# Altium PCB OBC Development Board.PcbDoc (part 3 of 3)
Units mil, origin at the board's own origin, x right, y up, seen from the top; angles counter-clockwise.
Board outline 3775.59 x 3550.2 mil, 6 copper layers (L1 Top Layer, L2 GND, L3 Signal, L4 Signal, L5 GND, L6 Bottom Layer), stack 61.638 mil thick; 225 components, 188 nets, 885 pads, 667 vias.
Unrouted connection lines stored in the file: 1.
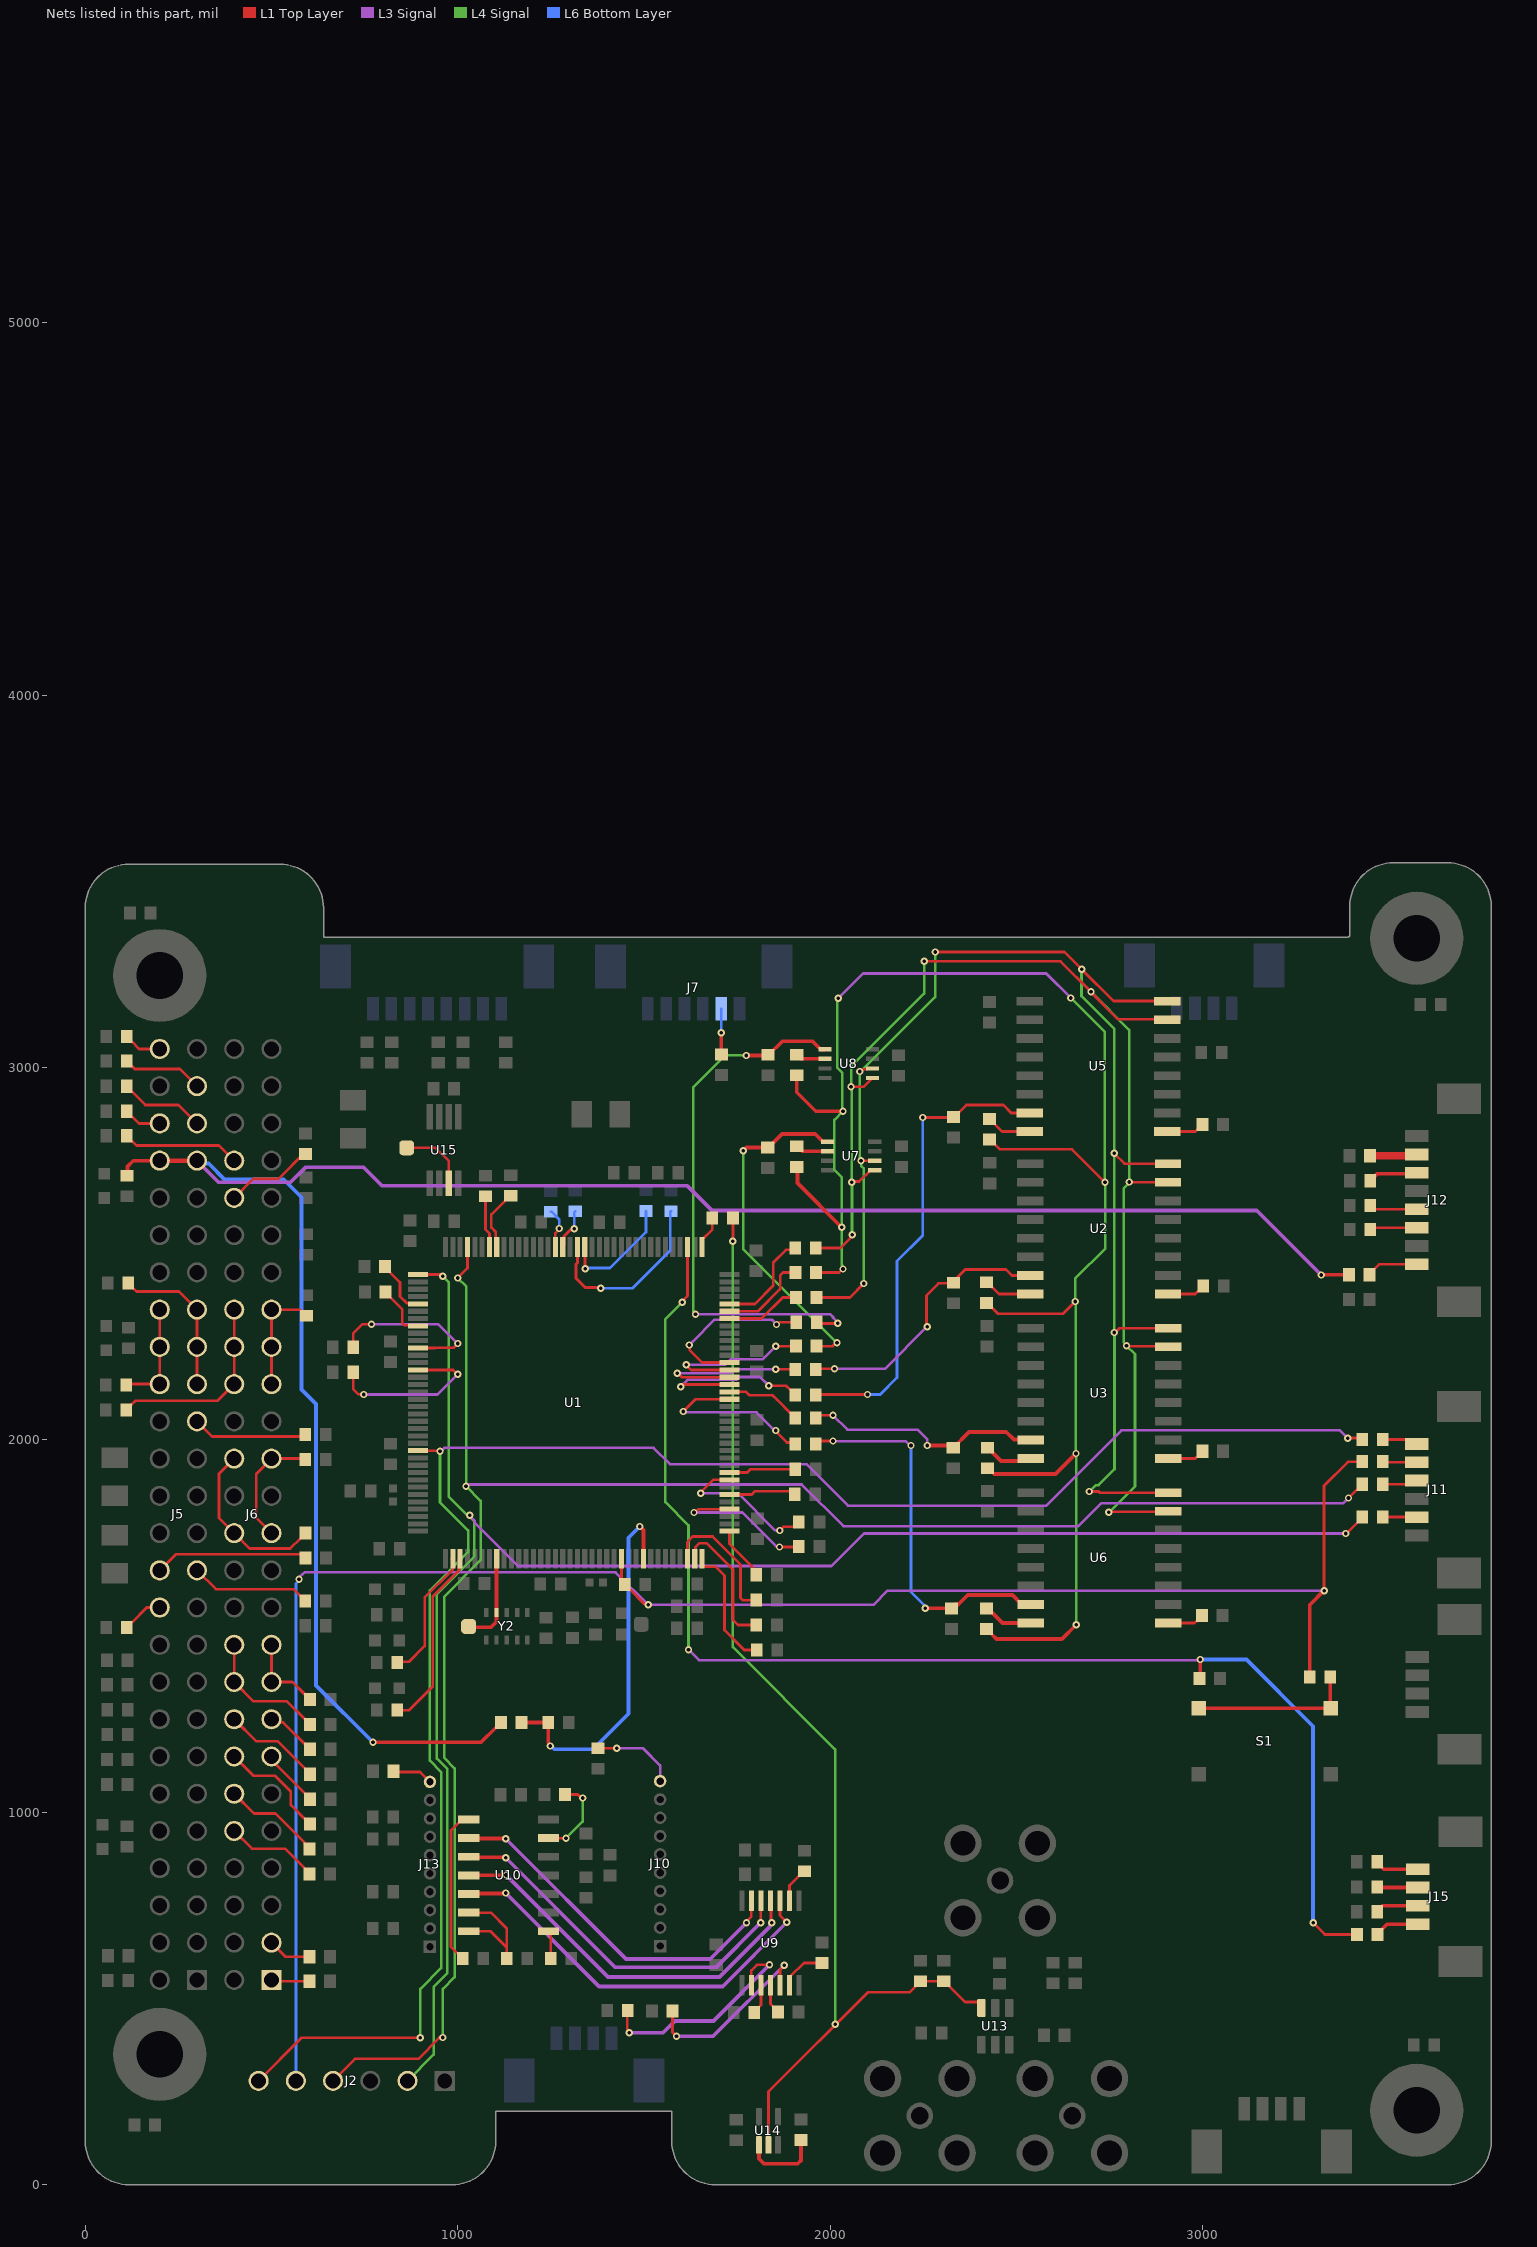
[diagram p7: the nets of this part, all layers, seen from the top]

## Via types
v1: diameter 19.68, hole 9.84, L1 Top Layer to L6 Bottom Layer, tented both sides, 666 vias
v2: diameter 26, hole 15, L1 Top Layer to L6 Bottom Layer, tented both sides, 1 vias

## Nets (pads, with @x,y where several pads share a name; then routed paths per layer and width w, separated by ;. In a path a pad name is that pad's centre, name@x,y a point inside that pad or via, vN(x,y) a via of type N, cw(c..) or ccw(c..) an arc to the next point about the centre after c; other vN are vias at no path point) (continued)
NetJ5_22: J5.22 R111.1 | length 112.3
  L1 Top Layer w7.33: R111.1@111.22,1496.06 111.22,1498.03 123.3,1510.11 125.27,1510.11 165.16,1550 J5.22@200,1550
NetJ5_23: J5.23 R106.2 | length 325.7
  L1 Top Layer w7.33: J5.23@300,1650 350.59,1599.41 559.06,1599.41 576.5,1581.97 578.47,1581.97 590.55,1569.88 R106.2@590.55,1567.91
NetJ5_24: J5.24 R108.1 | length 413.4
  L1 Top Layer w7.33: J5.24@200,1650 242.91,1692.91 581.69,1692.91 R108.1@591.54,1683.07
NetJ5_31: J5.31 R139.2 | length 309.6
  L1 Top Layer w7.33: J5.31@300,2050 340.63,2009.37 585.15,2009.37 R139.2@590.55,2014.76
NetJ5_33: J5.33 J5.35 J5.37 R102.2 | length 415.5
  L1 Top Layer w7.33: R102.2@115.16,2421.26 115.16,2419.29 127.24,2407.21 129.21,2407.21 137.8,2398.62 251.38,2398.62 J5.37@300,2350 J5.35@300,2250 J5.33@300,2150
NetJ5_34: J5.34 J5.36 J5.38 R103.1 | length 290.7
  L1 Top Layer w7.33: R103.1@110.24,2147.64 112.6,2150 J5.34@200,2150 J5.36@200,2250 J5.38@200,2350
NetJ5_47: J5.47 R96.2 | length 231.3
  L1 Top Layer w7.33: R96.2@111.22,2949.8 111.22,2947.83 123.3,2935.75 125.27,2935.75 161.42,2899.61 250.39,2899.61 J5.47@300,2850
NetJ5_48: J5.48 R97.1 | length 103.5
  L1 Top Layer w7.33: R97.1@111.22,2882.87 111.22,2880.91 123.3,2868.82 125.27,2868.82 144.09,2850 J5.48@200,2850
NetJ5_49: J5.49 R95.2 | length 218
  L1 Top Layer w7.33: R95.2@111.22,3017.72 111.22,3015.75 123.3,3003.66 125.27,3003.66 132.87,2996.06 253.94,2996.06 J5.49@300,2950
NetJ5_52: J5.52 R94.1 | length 103.6
  L1 Top Layer w7.33: R94.1@111.22,3083.66 111.22,3081.69 123.3,3069.61 125.27,3069.61 144.68,3050.2 J5.52@199.8,3050.2
NetJ6_1: J6.1 R140.2 | length 103.9
  L1 Top Layer w7.33: J6.1@500,550 503.74,546.26 R140.2@602.36,546.26
NetJ6_3: J6.3 R141.2 | length 118
  L1 Top Layer w7.33: J6.3@500,650 537.8,612.2 R141.2@602.36,612.2
NetJ6_10: J6.10 R127.1 | length 251.3
  L1 Top Layer w7.33: J6.10@400,950 447.44,902.56 536.42,902.56 602.36,836.61 R127.1@602.36,834.65
NetJ6_12: J6.12 R125.1 | length 265.9
  L1 Top Layer w7.33: J6.12@400,1050 452.95,997.05 510.42,997.05 590.28,917.19 590.28,913.66 R125.1@602.36,901.57
NetJ6_13: J6.13 R123.2 | length 157.4
  L1 Top Layer w7.33: J6.13@500,1150 500,1140.75 603.35,1037.4 R123.2@603.35,1035.43
NetJ6_14: J6.14 R124.1 | length 300.5
  L1 Top Layer w7.33: J6.14@400,1150 451.78,1098.22 509.25,1098.22 552.11,1055.35 552.11,1019.74 589.29,982.56 591.26,982.56 603.35,970.47 R124.1@603.35,968.5
NetJ6_15: J6.15 R119.2 | length 137.9
  L1 Top Layer w7.33: J6.15@500,1250 508.2,1241.8 530.83,1241.8 589.29,1183.34 591.26,1183.34 603.35,1171.26 R119.2@603.35,1169.29
NetJ6_16: J6.16 R120.1 | length 265.7
  L1 Top Layer w7.33: J6.16@400,1250 459.37,1190.63 517.04,1190.63 603.35,1104.33 R120.1@603.35,1102.36
NetJ6_17: J6.17 J6.19 R112.2 | length 223.9
  L1 Top Layer w7.33: J6.19@500,1450 J6.17@500,1350 556.5,1350 589.29,1317.2 591.26,1317.2 603.35,1305.12 R112.2@603.35,1303.15
NetJ6_18: J6.18 J6.20 R113.1 | length 351.6
  L1 Top Layer w7.33: J6.20@400,1450 J6.18@400,1350 451.77,1298.23 541.34,1298.23 589.29,1250.27 591.26,1250.27 603.35,1238.19 R113.1@603.35,1236.22
NetJ6_25: J6.25 J6.29 R104.2 | length 325.1
  L1 Top Layer w7.33: J6.25@500,1750 459.37,1790.63 459.37,1909.37 J6.29@500,1950 588.39,1950 R104.2@590.55,1947.83
NetJ6_26: J6.26 J6.30 R105.1 | length 460.6
  L1 Top Layer w7.33: J6.30@400,1950 359.37,1909.37 359.37,1790.63 J6.26@400,1750 441.34,1708.66 550.2,1708.66 577.48,1735.95 579.45,1735.95 591.54,1748.03 R105.1@591.54,1750
NetJ6_33: J6.33 J6.35 J6.37 R100.2 | length 301.3
  L1 Top Layer w7.33: J6.33@500,2150 J6.35@500,2250 J6.37@500,2350 576.18,2350 592.52,2333.66 R100.2@594.49,2333.66
NetJ6_34: J6.34 J6.36 J6.38 R101.1 | length 519.6
  L1 Top Layer w7.33: R101.1@110.24,2080.71 110.24,2082.68 122.32,2094.76 124.29,2094.76 134.84,2105.32 355.32,2105.32 J6.34@400,2150 J6.36@400,2250 J6.38@400,2350
NetJ6_44: J6.44 R99.1 | length 238.6
  L1 Top Layer w7.33: J6.44@400,2650 450.79,2700.79 518.7,2700.79 R99.1@587.79,2769.87 ; R99.1@590.74,2766.92 R99.1@591.54,2767.72
NetJ6_46: J6.46 R98.1 | length 317.7
  L1 Top Layer w7.33: R98.1@111.22,2816.93 111.22,2814.96 123.3,2802.88 125.27,2802.88 137.52,2790.63 359.37,2790.63 J6.46@400,2750
NetJ7_5: J7.5 R60.2 | length 122.5
  L1 Top Layer w10: v1(1707.68,3093.5) 1707.68,3036.42 R60.2@1708.66,3035.43
  L6 Bottom Layer w7.33: v1(1707.68,3093.5) J7.5@1707.68,3157.48
NetJ10_10: J10.10 R80.2 | length 227.8
  L1 Top Layer w7.33: R80.2@1376.97,1172.24 v1(1427.17,1172.24)
  L3 Signal w7.33: v1(1427.17,1172.24) 1497.05,1172.24 1543.71,1125.58 J10.10@1543.71,1083.89
NetJ11_2: J11.2 R47.2 | length 91
  L1 Top Layer w7.33: R47.2@3484.45,1793.31 3574.37,1793.31 J11.2@3575.16,1792.52
NetJ11_4: J11.4 R45.2 | length 94.7
  L1 Top Layer w7.33: R45.2@3484.45,1881.34 3565.55,1881.34 J11.4@3575.16,1890.95
NetJ11_5: J11.5 R52.2 | length 91.2
  L1 Top Layer w7.33: R52.2@3482.48,1941.34 R52.2@3483.66,1940.16 ; R52.2@3485.63,1940.16 J11.5@3575.16,1940.16
NetJ11_6: J11.6 R51.2 | length 95.7
  L1 Top Layer w7.33: R51.2@3484.45,2001.34 3547.44,2001.34 3559.41,1989.37 J11.6@3575.16,1989.37
NetJ12_1: J12.1 R53.2 | length 139
  L1 Top Layer w7.33: R53.2@3448.82,2445.87 3474.57,2471.61 J12.1@3575.16,2471.61
  L1 Top Layer w10: R53.2@3448.82,2443.9 R53.2@3448.82,2445.87
NetJ12_3: J12.3 R42.2 | length 126.5
  L1 Top Layer w7.33: R42.2@3450.79,2564.96 3455.87,2570.04 J12.3@3575.16,2570.04
NetJ12_4: J12.4 R44.2 | length 128.8
  L1 Top Layer w7.33: R44.2@3450.79,2629.92 3461.46,2619.25 J12.4@3575.16,2619.25
NetJ12_6: J12.6 R38.1 | length 133.4
  L1 Top Layer w10: R38.1@3450.79,2695.87 3470.12,2715.2 3572.68,2715.2 J12.6@3575.16,2717.68
NetJ12_7: J12.7 R41.1 | length 126.6
  L1 Top Layer w20: R41.1@3449.96,2763.39 3571.65,2763.39 J12.7@3575.16,2766.89
NetJ13_10: J13.10 R81.2 | length 109.6
  L1 Top Layer w7.33: R81.2@827.76,1110.24 829.72,1108.27 899.25,1108.27 J13.10@925.6,1081.92
NetJ15_1: J15.1 R77.2 | length 120.8
  L1 Top Layer w10: R77.2@3470.47,672.24 3470.47,674.21 3496.06,699.8 J15.1@3578.74,699.8
NetJ15_2: J15.2 R58.2 | length 116.9
  L1 Top Layer w10: R58.2@3469.49,733.27 3469.49,735.24 3483.27,749.02 J15.2@3578.74,749.02
NetJ15_3: J15.3 R59.2 | length 109.7
  L1 Top Layer w10: R59.2@3469.49,799.21 3470.47,798.23 J15.3@3578.74,798.23
NetJ15_4: J15.4 R76.2 | length 118.6
  L1 Top Layer w10: R76.2@3469.49,867.13 3469.49,865.16 3487.2,847.44 J15.4@3578.74,847.44
NetR2_2: R2.2 U1.2 | length 356.9
  L1 Top Layer w7.33: R2.2@838.1,1404.46 869.46,1404.46 911.42,1446.42 911.42,1576.45 986.07,1651.1 U1.2@986.07,1680.31
  L1 Top Layer w11.81: U1.2@986.07,1680.31 U1.2@987.06,1681.29
NetR3_1: R3.1 U1.3 | length 495.3
  L1 Top Layer w7.33: R3.1@838.1,1274.54 870.01,1274.54 933.07,1337.6 933.07,1579.72 1003.52,1650.17 1003.52,1678.07 U1.3@1006.74,1681.29
NetR9_2: R9.2 U1.68 | length 275
  L1 Top Layer w7.33: U1.68@1730.17,2365.35 1798.42,2365.35 1847.44,2414.37 1847.44,2476.38 1881.61,2510.54 1901.29,2510.54 R9.2@1906.5,2515.75
NetR10_1: R10.1 U1.37 | length 147.1
  L1 Top Layer w7.33: U1.37@1730.17,1755.11 1730.17,1720.62 1791.42,1659.37 1791.42,1648.54 R10.1@1802.17,1637.8
NetR12_2: R12.2 U1.66 | length 201.9
  L1 Top Layer w7.33: U1.66@1730.17,2325.98 1816.13,2325.98 1873.03,2382.87 R12.2@1908.46,2382.87
NetR13_2: R13.2 U3.8 | length 134.1
  L1 Top Layer w10: R13.2@2423.23,1979.33 2425.2,1979.33 2435.94,1968.58 2435.94,1966.61 2459.08,1943.48 2531.76,1943.48 U3.8@2538.54,1950.25
NetR14_2: R14.2 U2.8 | length 138
  L1 Top Layer w7.33: R14.2@2420.28,2423.23 2422.24,2423.23 2453.54,2391.93 U2.8@2545.28,2391.93
NetR15_1: R15.1 S1.1 S1.2 | length 448.5
  L1 Top Layer w10: S1.1@2990.16,1279.53 S1.2@3344.49,1279.53 3343.5,1280.51 R15.1@3343.5,1363.19 R15.1@3350.68,1356.02
NetR16_1: R16.1 U1.119 | length 460.6
  L1 Top Layer w7.33: R16.1@719.49,2249.02 719.49,2285.73 744.78,2311.02 v1(768.7,2311.02) ; U1.119@893.55,2247.24 938.48,2247.24 938.53,2247.28 988.43,2247.28 v1(1000,2258.86)
  L3 Signal w7.04: v1(768.7,2311.02) 947.83,2311.02 v1(1000,2258.86)
NetR17_1: R17.1 U1.55 | length 476.1
  L1 Top Layer w7.33: v1(1605.91,2076.38) 1638.97,2109.44 U1.55@1730.17,2109.44 ; v1(1854.33,2025.59) 1854.33,2023.09 1884.05,1993.38 1902.29,1993.38 R17.1@1906.5,1989.17
  L3 Signal w7.04: v1(1605.91,2076.38) 1608.33,2073.96 1802.54,2073.96 1850.91,2025.59 v1(1854.33,2025.59)
NetR18_2: R18.2 U1.93 | length 110.5
  L1 Top Layer w7.33: U1.93@1262.65,2517.91 1262.23,2518.32 1262.23,2555.48 1272.85,2566.1 v1(1272.85,2567.7)
  L6 Bottom Layer w7.33: R18.2@1250,2613.19 1251.97,2613.19 1272.85,2592.31 v1(1272.85,2567.7)
NetR21_2: R21.2 U1.92 | length 114.7
  L1 Top Layer w7.33: U1.92@1282.33,2517.91 1285.56,2521.13 1285.56,2547.16 1302.96,2564.57 1310.63,2564.57 v1(1312.99,2566.93)
  L6 Bottom Layer w7.33: v1(1312.99,2566.93) 1312.99,2611.22 R21.2@1315.94,2614.17
NetR22_1: R22.1 U1.56 | length 206.5
  L1 Top Layer w7.33: U1.56@1730.17,2129.13 1774.72,2129.13 1783.71,2120.14 1845.41,2120.14 1857.28,2108.27 1893.78,2071.77 1895.75,2071.77 1906.5,2061.02 R22.1@1906.5,2059.06
NetR23_1: R23.1 U1.45 | length 179.9
  L1 Top Layer w7.33: U1.45@1730.17,1912.59 1777.79,1912.59 1786.46,1921.26 R23.1@1906.5,1921.26
NetR24_1: R24.1 U1.58 | length 463.5
  L1 Top Layer w7.33: v1(1589.77,2178.93) 1592.39,2178.93 1602.83,2168.5 U1.58@1730.17,2168.5 ; v1(1854.33,2189.96) 1902.56,2189.96 R24.1@1903.54,2188.98
  L3 Signal w7.04: v1(1589.77,2178.93) 1734.05,2178.93 1745.08,2189.96 v1(1854.33,2189.96)
NetR25_2: R25.2 U1.34 | length 359.2
  L1 Top Layer w7.33: U1.34@1616.98,1681.29 1616.98,1726.23 1631.22,1740.47 1684.83,1740.47 1759.84,1665.46 1759.84,1575.74 1765.7,1569.88 R25.2@1802.17,1569.88
NetR26_1: R26.1 U1.59 | length 437.8
  L1 Top Layer w7.33: v1(1614.17,2202.29) 1614.17,2200.46 1626.45,2188.18 U1.59@1730.17,2188.18 ; v1(1854.33,2251.97) R26.1@1908.46,2251.97
  L3 Signal w7.04: v1(1614.17,2202.29) 1719.02,2202.29 1733.27,2216.54 1818.9,2216.54 v1(1854.33,2251.97)
NetR27_1: R27.1 U1.60 | length 458.5
  L1 Top Layer w7.33: v1(1622.05,2254.92) 1623,2253.97 1623,2241.07 1656.2,2207.87 U1.60@1730.17,2207.87 ; v1(1856.3,2310.04) 1858.92,2310.04 1864.83,2315.95 R27.1@1909.45,2315.95
  L3 Signal w7.04: v1(1622.05,2254.92) 1631.89,2264.76
  L3 Signal w7.33: 1631.89,2264.76 1690.08,2322.96 1843.38,2322.96 v1(1856.3,2310.04)
NetR28_1: R28.1 U1.67 | length 241.8
  L1 Top Layer w7.33: U1.67@1730.17,2345.66 1806.29,2345.66 1866.14,2405.51 1866.14,2441.93 1874.02,2449.8 R28.1@1907.48,2449.8
NetR29_2: R29.2 U1.35 | length 370.1
  L1 Top Layer w7.33: U1.35@1636.66,1681.29 1638.55,1683.18 1638.55,1712.37 1648.62,1722.44 1669.29,1722.44 1739.17,1652.56 1739.17,1516.73 1752.95,1502.95 R29.2@1802.17,1502.95
NetR30_1: R30.1 U1.42 | length 182.4
  L1 Top Layer w7.33: U1.42@1730.17,1853.54 1789.86,1853.54 1798.77,1862.44 R30.1@1897.4,1862.44
  L1 Top Layer w10: R30.1@1897.4,1862.44 R30.1@1905.51,1854.33
NetR31_2: R31.2 U1.36 | length 345.8
  L1 Top Layer w7.33: U1.36@1656.35,1681.29 1656.35,1661.61 1658.24,1659.72 1692.65,1659.72 1716.54,1635.83 1716.54,1489.17 1769.69,1436.02 R31.2@1803.15,1436.02
NetR32_1: R32.1 U1.57 | length 472.7
  L1 Top Layer w7.33: v1(1599.02,2143.32) 1601.65,2143.32 1607.14,2148.81 U1.57@1730.17,2148.81 ; v1(1835.63,2145.67) 1881.89,2145.67 1893.78,2133.78 1895.75,2133.78 1906.5,2123.03 R32.1@1906.5,2121.06
  L3 Signal w7.33: v1(1599.02,2143.32) 1617.13,2161.42 1748.53,2161.42 1756.29,2169.18 1812.12,2169.18 v1(1835.63,2145.67)
NetR36_2: R36.2 U5.8 | length 130.8
  L1 Top Layer w7.33: R36.2@2428.15,2862.2 2430.12,2862.2 2440.87,2851.46 2440.87,2849.49 2462.03,2828.32 U5.8@2543.77,2828.32
NetR37_2: R37.2 U6.8 | length 134.3
  L1 Top Layer w10: R37.2@2420.28,1547.24 2431.02,1536.5 2435.11,1536.5 2463.2,1508.41 U6.8@2538.54,1508.41
NetR39_2: R39.2 U1.40 | length 419.3
  L1 Top Layer w7.33: v1(1634.84,1805.12) 1637.46,1805.12 1646.51,1814.17 U1.40@1730.17,1814.17 ; v1(1864.17,1712.6) 1915.35,1712.6 R39.2@1916.34,1713.58
  L3 Signal w7.04: v1(1634.84,1805.12) 1764.46,1805.12 1854.56,1715.02 1861.75,1715.02 v1(1864.17,1712.6)
NetR40_1: R40.1 U1.113 | length 153.2
  L1 Top Layer w7.33: R40.1@805.12,2465.55 805.12,2463.58 845.47,2423.23 845.47,2385.5 863.74,2367.24 891.66,2367.24 U1.113@893.55,2365.35
NetR43_1: R43.1 U1.90 | length 497.7
  L1 Top Layer w7.33: U1.90@1321.7,2517.91 1321.7,2475.8 1317.68,2471.78 1317.68,2434.29 1342.64,2409.33 1381.99,2409.33 v1(1383.84,2407.48)
  L6 Bottom Layer w7.33: v1(1383.84,2407.48) 1469.49,2407.48 1570.87,2508.86 1570.87,2612.2 R43.1@1572.83,2614.17
NetR46_1: R46.1 U1.89 | length 320
  L1 Top Layer w7.33: U1.89@1341.39,2517.91 1341.95,2517.34 1341.95,2460.21 v1(1342.52,2459.65)
  L6 Bottom Layer w7.33: v1(1342.52,2459.65) 1344.37,2461.5 1409.33,2461.5 1505.91,2558.07 R46.1@1505.91,2615.16
NetR48_2: R48.2 U8.2 | length 81.1
  L1 Top Layer w10: R48.2@1910.43,3034.45 1921.1,3023.78 1986.34,3023.78 U8.2@1986.89,3023.23
NetR50_2: R50.2 U1.44 | length 409.5
  L1 Top Layer w7.33: v1(1652.56,1857.05) 1652.56,1859.25 1686.21,1892.91 U1.44@1730.17,1892.91 ; v1(1864.83,1756.89) 1874.75,1766.81 1905.59,1766.81 1916.34,1777.56 R50.2@1916.34,1779.53
  L3 Signal w7.04: v1(1652.56,1857.05) 1752.2,1857.05 1851.21,1758.04 1863.67,1758.04 v1(1864.83,1756.89)
NetR55_2: R55.2 U14.1 | length 214.9
  L1 Top Layer w10: U14.1@1809.06,106.89 1809.06,69.49 1822.44,56.1 1913.39,56.1 1922.24,64.96 R55.2@1922.24,120.08
NetR56_1: R56.1 U1.116 | length 147.7
  L1 Top Layer w7.33: R56.1@806.1,2397.64 806.1,2395.67 851.38,2350.39 851.38,2314.04 857.24,2308.18 891.66,2308.18 U1.116@893.55,2306.29
NetR57_1: R57.1 U1.122 | length 465.7
  L1 Top Layer w7.33: R57.1@719.49,2182.09 719.49,2136.81 733.74,2122.56 747.52,2122.56 v1(748.03,2122.05) ; U1.122@893.55,2188.18 988,2188.18 v1(1000,2176.18)
  L3 Signal w7.04: v1(748.03,2122.05) 945.87,2122.05 v1(1000,2176.18)
NetR62_2: R62.2 U7.2 | length 88.1
  L1 Top Layer w10: R62.2@1910.43,2788.39 1912.4,2788.39 1925.59,2775.2 U7.2@1993.07,2775.2
NetR64_2: R64.2 U10.8 | length 75.9
  L1 Top Layer w7.33: U10.8@1244.06,680.71 1250,674.77 R64.2@1250,607.28
NetR67_2: R67.2 U1.73 | length 90
  L1 Top Layer w7.33: U1.73@1656.35,2517.91 1656.35,2537.59 1684.06,2565.3 R67.2@1684.06,2596.46
NetR72_2: R72.2 U10.13 | length 224.9
  L1 Top Layer w7.33: U10.13@1244.06,930.71 v1(1290.94,930.71) v1@1291.34,931.1 ; R72.2@1288.39,1048.23 1322.44,1048.23 1332.29,1038.39 v1(1335.63,1038.39)
  L4 Signal w7.33: v1(1290.94,930.71) 1335.63,975.39 v1(1335.63,1038.39)
NetR73_2: R73.2 U10.1 | length 417.9
  L1 Top Layer w7.33: R73.2@1013.78,607.28 1013.78,609.25 1001.7,621.34 999.73,621.34 982.28,638.78 982.28,951.68 1011.31,980.71 U10.1@1029.56,980.71
NetR75_2: R75.2 U9.6 | length 124.3
  L1 Top Layer w7.33: U9.6@1891.15,535.66 1894.37,538.89 1894.37,560 1929.85,595.47 R75.2@1978.35,595.47
NetR78_2: R78.2 U9.9 | length 97.4
  L1 Top Layer w7.33: U9.9@1891.15,762.04 1891.15,803.91 1916.7,829.45 1919.02,829.45 R78.2@1931.1,841.54
NetR82_2: R82.2 U2.9 | length 104.5
  L1 Top Layer w7.33: U2.9@2907.48,2391.93 2980.51,2391.93 2987.92,2399.33 2989.89,2399.33 3001.97,2411.42 R82.2@3001.97,2413.39
NetR85_2: R85.2 U3.9 | length 100.5
  L1 Top Layer w7.33: U3.9@2908.61,1950.25 2980.76,1950.25 2985.95,1955.44 2987.92,1955.44 3000,1967.52 R85.2@3000,1969.49
NetR86_2: R86.2 U6.9 | length 99.9
  L1 Top Layer w7.33: U6.9@2908.61,1508.41 2978.88,1508.41 2984.96,1514.49 2986.93,1514.49 2999.02,1526.57 R86.2@2999.02,1528.54
NetR87_2: R87.2 U9.2 | length 615.9
  L1 Top Layer w7.33: R87.2@1455.71,474.7 1455.71,416.01 v1@1461.15,410.56 ; U9.2@1788.79,535.66 1788.79,575.3 1804.04,590.55 v1(1837.6,590.55)
  L1 Top Layer w10: v1(1461.15,407.94) v1@1461.15,410.56
  L3 Signal w10: v1(1461.15,407.94) 1551.64,407.94 1583.66,439.96 1687.01,439.96 v1(1837.6,590.55)
NetR88_1: R88.1 U9.5 | length 499.5
  L1 Top Layer w7.33: R88.1@1576.77,466.54 1576.77,409.45 v1(1587.6,398.62) ; U9.5@1865.56,535.66 1865.56,578.22 1876.91,589.57 v1(1876.97,589.57)
  L3 Signal w10: v1(1587.6,398.62) 1686.02,398.62 v1(1876.97,589.57)
NetR89_2: R89.2 U9.3 | length 80.6
  L1 Top Layer w7.33: R89.2@1796.26,462.6 1796.26,464.57 1814.38,482.69 U9.3@1814.38,535.66
NetR90_2: R90.2 U9.4 | length 80.5
  L1 Top Layer w7.33: U9.4@1839.97,535.66 1839.97,485.82 1860.24,465.55 R90.2@1860.24,463.58
NetR93_2: R93.2 U5.9 | length 103.1
  L1 Top Layer w7.33: U5.9@2905.98,2828.32 2980.88,2828.32 2985.95,2833.39 2987.92,2833.39 3000,2845.47 R93.2@3000,2847.44
NetR107_2: R107.2 U1.101 | length 166.4
  L1 Top Layer w7.33: U1.101@1105.17,2517.91 1103.28,2519.8 1103.28,2544.43 1102.37,2545.34 1102.37,2558.61 1090.55,2570.43 1090.55,2605.32 1140.75,2655.51 R107.2@1142.72,2655.51
NetR109_2: R109.2 U1.102 | length 141
  L1 Top Layer w7.33: R109.2@1074.8,2654.53 1074.8,2564.96 1085.48,2554.28 U1.102@1085.48,2517.91
NetR131_2: R131.2 U10.6 U10.7 | length 321.2
  L1 Top Layer w7.33: U10.7@1029.56,680.71 1087.99,680.71 1131.89,636.81 ; U10.6@1029.56,730.71 1089.17,730.71 1131.89,687.99 1131.89,636.81 ; R131.2@1131.89,607.28 1131.89,636.81
NetU1_8: pad.3@1029.53,1499.02 U1.8 Y2.4 | length 249.5
  L1 Top Layer w10: pad.3@1029.53,1499.02 1031.5,1497.05 1089.57,1497.05 1104.33,1511.81 Y2.4@1104.33,1537.21
  L1 Top Layer w11.81: Y2.4@1104.44,1538.21 U1.8@1104.44,1680.57
NetU9_10: U9.10 U10.5 | length 1095.6
  L1 Top Layer w7.33: U9.10@1865.56,762.04 1865.56,723.02 v1(1883.86,704.72)
  L1 Top Layer w10: U10.5@1029.56,780.71 1030.94,782.09 1127.56,782.09 v1(1128.94,783.46)
  L3 Signal w10: v1(1128.94,783.46) 1379.92,532.48 1711.61,532.48 v1(1883.86,704.72)
NetU9_11: U9.11 U10.4 | length 1050.9
  L1 Top Layer w7.33: U9.11@1839.97,762.04 1841.63,760.37 1841.63,705.41 v1(1843.3,703.75)
  L1 Top Layer w10: U10.4@1029.56,830.71 1030.05,831.2 1129.43,831.2 v1(1129.92,831.69)
  L3 Signal w10: v1(1129.92,831.69) 1403.54,558.07 1703.38,558.07 1838.46,693.15 1838.46,696.29 1843.3,701.13 v1(1843.3,703.75)
NetU9_12: U9.12 U10.3 | length 1015.6
  L1 Top Layer w7.33: v1(1813.62,703.44) 1813.62,761.28 U9.12@1814.38,762.04
  L1 Top Layer w10: U10.3@1029.56,880.71 1030.94,879.33 1127.56,879.33 v1(1128.94,877.95)
  L3 Signal w10: v1(1128.94,877.95) 1423.23,583.66 1693.83,583.66 v1(1813.62,703.44)
NetU9_13: U9.13 U10.2 | length 984.5
  L1 Top Layer w7.33: v1(1775.59,703.74) 1775.59,707.08 1788.59,720.08 1788.59,761.84 U9.13@1788.79,762.04
  L1 Top Layer w10: U10.2@1029.56,930.71 1030.35,929.92 1128.15,929.92 v1(1128.94,929.13)
  L3 Signal w10: v1(1128.94,929.13) 1451.77,606.3 1678.15,606.3 v1(1775.59,703.74)
NRST: C19.2 J2.05 R15.2 R52.1 U1.25 | length 4983.3
  L1 Top Layer w7.33: U1.25@1439.81,1681.29 1439.81,1626.19 C19.2@1450,1616 ; C19.2@1448.82,1612.2 1448.82,1610.24 1460.9,1598.15 1462.87,1598.15 1501.18,1559.85 1509.05,1559.85 v1(1511.42,1557.48) ; v1(3326.77,1595.47) 3326.77,1876.97 3391.14,1941.34 R52.1@3429.33,1941.34
  L1 Top Layer w10: R15.2@3288.39,1363.19 3288.39,1557.09 v1(3326.77,1595.47)
  L3 Signal w7.04: v1(573.82,1625.98) 573.82,1629.41 583.97,1639.56 583.97,1639.71 588.95,1644.69 1424.21,1644.69 v1@1513.78,1555.12 ; v1(1511.42,1557.48) 2116.54,1557.48 2154.53,1595.47 v1(3326.77,1595.47)
  L6 Bottom Layer w7.33: J2.05@565.35,279.06 565.65,279.35 565.65,1614.47 573.82,1622.64 v1(573.82,1625.98)
OS/INT: pad.3@863.19,2784.45 U15.3 | length 187.7
  L1 Top Layer w7.33: pad.3@863.19,2784.45 940.72,2784.45 976.38,2748.8 U15.3@976.38,2689.04
RBF_1: R77.1 R79.1 U1.75 | length 3605.5
  L1 Top Layer w7.33: v1(1603.35,2370.08) 1603.35,2372.7 1616.98,2386.33 U1.75@1616.98,2517.91 ; v1(3297.24,703.74) 3328.74,672.24 R77.1@3415.35,672.24
  L1 Top Layer w10: R79.1@2992.13,1359.25 2994.09,1361.22 v1(2994.09,1410.43)
  L3 Signal w7.04: v1(1620.08,1437.01) 1648.17,1408.92 2992.58,1408.92 v1(2994.09,1410.43)
  L4 Signal w7.04: v1(1603.35,2370.08) 1557.83,2324.57 1557.83,1833.21 1620.08,1770.97 v1(1620.08,1437.01)
  L6 Bottom Layer w10: v1(2994.09,1410.43) 3118.11,1410.43 3297.24,1231.3 v1(3297.24,703.74)
SPI1_MISO: R13.1 R14.1 R28.2 R36.1 R37.1 R48.1 R62.1 | length 4823.3
  L1 Top Layer w7.33: R28.2@1962.6,2449.8 2024.43,2449.8 2033.74,2459.11 v1(2034.9,2459.11) ; R14.1@2420.28,2368.11 2422.24,2368.11 2451.77,2338.58 2625,2338.58 v1(2658.46,2372.05) ; R36.1@2428.15,2807.09 2430.12,2807.09 2456.85,2780.35 2649.76,2780.35 v1(2738.19,2691.93)
  L1 Top Layer w10: R62.1@1910.43,2733.27 1912.4,2731.3 1912.4,2689.96 v1(2031.5,2570.87) ; R48.1@1910.43,2979.33 1910.43,2934.06 1961.61,2882.87 v1(2034.71,2882.87) ; R37.1@2420.28,1492.13 2422.24,1492.13 2432.99,1481.38 2432.99,1479.41 2446.85,1465.55 2622.58,1465.55 2660.96,1503.94 v1(2661.42,1503.94) ; R13.1@2423.23,1924.21 2425.2,1924.21 2440.94,1908.46 2605.32,1908.46 v1(2660.43,1963.58)
  L3 Signal w7.33: v1(2021.65,3186.02) 2088.58,3252.95 2580.71,3252.95 v1(2646.65,3187.01)
  L4 Signal w7.04: v1(2021.65,3186.02) 2019.23,3183.6 2019.23,3175.85 2018.96,3175.58 2018.96,2999.98 2032.88,2986.05 2032.88,2886.41 v1@2033.1,2886.19 ; v1(2034.71,2882.87) 2011.35,2859.51 2011.35,2725.26 2031.5,2705.11 2031.5,2469.56 2032.48,2468.57 2032.48,2461.53 v1(2034.9,2459.11) ; v1(2646.65,3187.01) 2738.19,3095.47 v1(2738.19,2691.93) 2739.17,2690.95 2739.17,2514.76 2658.46,2434.06 v1(2658.46,2372.05) 2659.45,2371.06 2659.45,1964.57 2660.93,1963.09 2660.93,1504.43 v1(2661.42,1503.94)
SPI1_MOSI: R9.1 U2.15 U3.15 U5.15 U6.15 U7.5 U8.5 | length 3625.3
  L1 Top Layer w7.33: R9.1@1961.61,2515.75 2028.02,2515.75 2055.2,2542.93 2055.2,2543.72 2060.04,2548.56 v1(2060.04,2551.18) ; v1(2056.25,2948.75) 2090.75,2948.75 U8.5@2114.06,2972.05 ; v1(2058.07,2691.93) 2059.92,2693.78 2078.19,2693.78 2108.43,2724.02 U7.5@2120.24,2724.02 ; v1(2252.95,3285.43) 2619.09,3285.43 v1(2700.79,3203.74) 2700.79,3202.21 2773.39,3129.61 2896.81,3129.61 U5.15@2898.1,3128.32 ; v1(2748.85,1805.49) 2750.31,1806.95 2899.28,1806.95 U6.15@2900.74,1808.41 ; v1(2796.26,2252.95) 2797.61,2251.6 2899.39,2251.6 U3.15@2900.74,2250.25 ; v1(2803.15,2692.91) 2803.64,2692.42 2895.93,2692.42 U2.15@2895.96,2692.38
  L4 Signal w7.04: v1(2056.25,2948.75) 2056.7,2949.2 2056.7,3002.56 2252.95,3198.82 v1(2252.95,3285.43) ; v1@2056.7,2950.54 v1@2058.5,2948.75 ; v1@2058.07,2948.32 v1(2058.07,2691.93) 2059.06,2690.95 2059.06,2552.17 v1(2060.04,2551.18) ; v1(2700.79,3203.74) 2803.15,3101.38 v1(2803.15,2692.91) ; v1(2748.85,1805.49) 2818.9,1875.54 2818.9,2230.32 v1(2796.26,2252.95) 2796.26,2255.57 2788.39,2263.45 2788.39,2675.53 v1@2803.15,2690.29
SPI1_SCLK: R12.1 U2.16 U3.16 U5.16 U6.16 U7.6 U8.6 | length 3832.4
  L1 Top Layer w7.33: R12.1@1963.58,2382.87 2053.15,2382.87 v1(2090.55,2420.28) ; v1(2080.06,2989.3) 2083.4,2989.3 2089.5,2995.4 2100,2995.4 2102.24,2997.64 U8.6@2114.06,2997.64 ; v1(2083.16,2749.89) 2083.3,2749.75 2120.09,2749.75 U7.6@2120.24,2749.61 ; v1(2282.48,3310.28) 2629.84,3310.28 v1(2676.34,3263.78) ; v1@2675.88,3263.78 2760.93,3178.73 2884.89,3178.73 2891.29,3185.13 U5.16@2898.1,3178.32 ; v1(2695.76,1861.8) 2721.89,1861.8 2725.6,1858.08 2900.41,1858.08 U6.16@2900.74,1858.41 ; v1(2762.8,2769.69) 2790.55,2741.93 U2.16@2890.69,2741.93 ; v1(2763.54,2288.39) 2766.16,2288.39 2778.03,2300.25 U3.16@2900.74,2300.25
  L4 Signal w7.04: v1(2080.06,2989.3) 2079.61,2988.85 2079.61,2760.34 2080.74,2759.21 2080.74,2752.31 v1(2083.16,2749.89) ; v1@2080.66,2748.58 2083.71,2745.53 2083.71,2736.12 2090.55,2729.28 v1(2090.55,2420.28) ; v1@2081.1,2988.26 2282.48,3189.64 v1(2282.48,3310.28) ; v1(2676.34,3263.78) 2675.2,3262.64 2675.2,3191.93 2762.8,3104.33 v1(2762.8,2769.69) 2763.17,2769.31 2763.17,2289 v1@2763.78,2288.39 ; v1(2695.76,1861.8) 2696.77,1861.8 2713.83,1878.86 2720.9,1878.86 2763.78,1921.73 2763.78,2288.15 v1(2763.54,2288.39)
SPI_NCS_FLASH_0: R24.2 R117.2 U2.7 | length 755.4
  L1 Top Layer w7.33: R24.2@1958.66,2188.98 1960.63,2190.95 v1(2011.81,2190.95) ; v1(2260.83,2304.13) 2258.86,2306.1 2258.86,2388.13 2291.26,2420.53 R117.2@2331.95,2420.53 ; R117.2@2330.96,2425.45 2363.19,2457.68 2472.44,2457.68 2488.19,2441.93 U2.7@2545.28,2441.93
  L3 Signal w7.04: v1(2011.81,2190.95) 2147.64,2190.95 v1(2260.83,2304.13)
SPI_NCS_FLASH_1: R32.2 R126.2 U5.7 | length 1282.5
  L1 Top Layer w7.33: R32.2@1961.61,2121.06 1962.6,2122.05 v1(2100.39,2122.05) ; v1(2249.02,2866.14) 2332.68,2866.14 2366.14,2899.61 2465.4,2899.61 2486.69,2878.32 U5.7@2543.77,2878.32
  L6 Bottom Layer w7.33: v1(2100.39,2122.05) 2134.84,2122.05 2180.12,2167.32 2180.12,2480.61 2249.02,2549.51 v1(2249.02,2866.14)
SPI_NCS_FLASH_2: R22.2 R35.2 U3.7 | length 652
  L1 Top Layer w7.33: R22.2@1961.61,2059.06 1968.74,2066.18 v1(2007.87,2066.18)
  L1 Top Layer w10: v1(2260.83,1985.24) 2324.8,1985.24 R35.2@2330.71,1979.33 2373.03,2021.65 2473.43,2021.65 2493.96,2001.12 2537.67,2001.12 U3.7@2538.54,2000.25
  L3 Signal w7.04: v1(2007.87,2066.18) 2046.5,2027.56 2235.24,2027.56 2260.83,2001.97 v1(2260.83,1985.24)
SPI_NCS_FLASH_3: R17.2 R34.2 U6.7 | length 1046.1
  L1 Top Layer w7.33: R17.2@1961.61,1989.17 1969.49,1997.05 v1(2007.87,1997.05)
  L1 Top Layer w10: v1(2255.91,1548.23) 2324.8,1548.23 2334.57,1557.99 2344.41,1557.99 ; R34.2@2334.65,1548.23 2344.41,1557.99 ; U6.7@2538.54,1558.41 2514.91,1558.41 2489.66,1583.66 2370.08,1583.66 2344.41,1557.99
  L3 Signal w7.04: v1@2005.91,1997.05 v1(2007.87,1997.05) 2202.29,1997.05 2214.1,1985.24 v1(2217.52,1985.24)
  L6 Bottom Layer w7.33: v1(2217.52,1985.24) 2217.52,1591.54 2254.9,1554.16 2256.48,1554.16 2261.42,1549.21 v1@2264.76,1549.21
SPI_NCS_FRAM_0: R27.2 R129.2 U8.1 | length 1477.3
  L1 Top Layer w7.33: R27.2@1964.57,2315.95 1967.52,2312.99 v1(2020.67,2312.99)
  L1 Top Layer w10: v1(1774.61,3032.48) 1831.69,3032.48 R129.2@1833.66,3034.45 ; R129.2@1835.63,3034.45 1872.05,3070.87 1953.03,3070.87 1975.98,3047.91 U8.1@1985.98,3047.91
  L3 Signal w7.04: v1(1638.78,2337.6) 2000.98,2337.6 2008.06,2330.53 2008.06,2328.23 2020.67,2315.61 v1(2020.67,2312.99)
  L4 Signal w7.04: v1(1638.78,2337.6) 1638.78,2340.22 1632.24,2346.76 1632.24,2946.22 1719.49,3033.46 1773.62,3033.46 v1(1774.61,3032.48)
SPI_NCS_FRAM_1: R26.2 R128.2 U7.1 | length 932.7
  L1 Top Layer w7.33: R26.2@1963.58,2251.97 2007.22,2251.97 2016.08,2260.83 v1(2018.7,2260.83)
  L1 Top Layer w10: v1(1766.73,2776.57) 1775.59,2785.43 R128.2@1832.68,2785.43 1834.65,2785.43 1871.06,2821.85 1960.2,2821.85 1981.26,2800.79 U7.1@1993.07,2800.79
  L4 Signal w7.04: v1(1766.73,2776.57) 1766.73,2512.8 v1(2018.7,2260.83)
SWCLK: J2.02 R47.1 U1.109 | length 4881.1
  L1 Top Layer w7.33: U1.109@893.55,2444.09 955.91,2444.09 v1(960,2440) ; v1(3385,1748.98) 3386.97,1748.98 3429.33,1791.34 R47.1@3429.33,1793.31
  L3 Signal w7.04: v1(1032.48,1797.57) 1032.48,1796.32 1046.28,1782.51 1046.28,1777.54 1162.4,1661.42 2003.94,1661.42 2091.5,1748.98 v1(3385,1748.98)
  L4 Signal w7.04: J2.02@865.35,279.06 935.38,349.08 935.38,531.38 972.44,568.44 972.44,1116.14 943.9,1144.69 943.9,1586.61 1045,1687.72 1045,1781.62 1032.17,1794.45 v1@1029.37,1794.45 ; v1(960,2440) 960,2439.87 975.91,2423.95 975.91,1847.91 v1@1029.37,1794.45 ; v1(1032.48,1797.57) v1@1029.37,1794.45
SWDIO: J2.04 R45.1 U1.105 | length 5071.1
  L1 Top Layer w7.33: J2.04@665.35,279.06 724.42,338.12 894.34,338.12 950,393.79 950,395 960,395 v1(960.22,395.22) ; v1(1000,2435) 1026.43,2461.43 U1.105@1026.43,2517.91 ; v1(3392.08,1844.09) R45.1@3429.33,1881.34
  L3 Signal w7.04: v1(1022.64,1875.98) 1026.06,1875.98 1030.49,1880.41 1923.72,1880.41 2035.67,1768.46 2666.86,1768.46 2728.73,1830.33 3378.32,1830.33 v1(3392.08,1844.09)
  L4 Signal w7.04: v1(960.22,395.22) 960,395.45 960,526 992,558 992,1118.24 963.58,1146.65 963.58,1578.74 1062,1677.16 1062,1836.62 v1(1022.64,1875.98) 1022.64,2033.48 1023.36,2034.2 1023.36,2411.64 v1(1000,2435)
SWO: J2.06 R51.1 U1.133 | length 4876.8
  L1 Top Layer w7.33: J2.06@465.35,279.06 581.3,395 v1(900,395) ; U1.133@893.55,1971.65 894.37,1970.82 951.73,1970.82 v1(952.55,1970) ; v1(3390,2005) 3425.67,2005 R51.1@3429.33,2001.34
  L3 Signal w7.04: v1(952.55,1970) 955.97,1970 964.74,1978.77 1526.15,1978.77 1569.88,1935.04 1937.01,1935.04 2048.23,1823.82 2580.71,1823.82 2782.72,2025.83 3369.17,2025.83 v1(3390,2005)
  L4 Signal w7.04: J2.06@465.35,279.06 J2.06@465.35,290.35 ; v1(900,395) 900,526.21 955.71,581.92 955.71,616.53 955.85,616.68 955.85,1108.13 925.2,1138.78 925.2,1596.41 1028.03,1699.24 1028.03,1757.13 952.55,1832.61 v1(952.55,1970)
UHF_CTL: C43.1 R65.1 R67.1 U13.6 U14.2 | length 3152
  L1 Top Layer w7.33: v1(1739.17,2533.46) R67.1@1739.17,2596.46 ; U14.2@1834.65,106.89 1834.65,250 2101.38,516.73 2213.58,516.73 R65.1@2243.11,546.26 C43.1@2305.12,546.26 2307.09,546.26 2362.78,490.57 2400.08,490.57 2406.5,484.15 U13.6@2406.5,474.61
  L4 Signal w7.04: v1(1739.17,2533.46) 1739.17,1443.9 2013.78,1169.29 v1(2013.78,431.1)
V_BAT: J5.45 J5.46 R53.1 R83.2 R136.2 | length 5704.2
  L1 Top Layer w10: R136.2@112.2,2709.65 113.47,2710.91 113.47,2734.54 128.94,2750 J5.46@200,2750 ; v1(772.64,1187.99) 1062.99,1187.99 1103.43,1228.43 1105.39,1228.43 1116.14,1239.17 R83.2@1116.14,1241.14 ; v1(3318.9,2442.91) 3319.88,2443.9 R53.1@3393.7,2443.9
  L1 Top Layer w11.81: J5.46@200,2750 J5.45@300,2750
  L3 Signal w10: J5.45@300,2750 358.03,2691.97 551.22,2691.97 591.26,2732.01 748.11,2732.01 797.8,2682.32 1616.89,2682.32 1683.07,2616.14 3145.67,2616.14 v1(3318.9,2442.91)
  L6 Bottom Layer w10: J5.45@300,2750 307.77,2742.23 331.59,2742.23 374.02,2699.8 532.73,2699.8 580.47,2652.07 580.47,2135.66 619.84,2096.29 619.84,1340.79 v1(772.64,1187.99)
VBAT_MONITOR: R83.1 R84.2 U1.28 | length 996.2
  L1 Top Layer w10: R83.1@1171.26,1241.14 R84.2@1243.11,1241.14 1243.11,1186.68 1249.02,1180.77 v1(1249.02,1178.15) ; v1(1489.17,1767.72) 1498.87,1758.02 U1.28@1498.87,1681.29
  L6 Bottom Layer w10: v1(1249.02,1178.15) 1250.86,1178.15 1259.72,1169.29 1363.19,1169.29 1458.94,1265.05 1458.94,1737.49 v1(1489.17,1767.72)
pads on no net: J5.50 J5.51 J6.2 J6.4 J6.5 J6.6 J6.7 J6.8 J6.9 J6.11 J6.21 J6.23 J6.45 J6.47 J6.49 J6.52 U1.4 U1.5 U1.7 U1.9 U1.12 U1.13 U1.14 U1.15 U1.18 U1.19 U1.20 U1.21 U1.22 U1.24 U1.29 U1.41 U1.43 U1.46 U1.47 U1.48 U1.49 U1.50 U1.53 U1.54 U1.63 U1.64 U1.65 U1.69 U1.70 U1.74 U1.76 U1.77 U1.78 U1.79 U1.80 U1.85 U1.86 U1.87 U1.88 U1.91 U1.96 U1.97 U1.98 U1.99 U1.100 U1.103 U1.104 U1.110 U1.111 U1.112 U1.114 U1.115 U1.117 U1.118 U1.123 U1.124 U1.125 U1.126 U1.127 U1.132 U1.134 U1.135 U1.136 U1.137 U1.139 U1.140 U1.141 U1.142 U2.1 U2.3 U2.4 U2.5 U2.6 U2.11 U2.12 U2.13 U2.14 U3.1 U3.3 U3.4 U3.5 U3.6 U3.11 U3.12 U3.13 U3.14 U5.1 U5.3 U5.4 U5.5 U5.6 U5.11 U5.12 U5.13 U5.14 U6.1 U6.3 U6.4 U6.5 U6.6 U6.11 U6.12 U6.13 U6.14 U7.7 U8.7 Y1.1 Y2.6 Y2.10

## Polygon pours and split planes (outlines as drawn)
GND on L6 Bottom Layer "Bottom GND" (solid, remove dead copper, pour order 29): 0,117.13 0,3429.13 cw(c118.11,3429.13) 118.11,3547.24 521.65,3547.24 cw(c521.65,3429.14) 639.76,3429.13 639.76,3350.39 3395.67,3356.3 3395.67,3433.07 cw(c3512.6,3433.07) 3512.6,3550 3658.66,3550 cw(c3658.66,3433.07) 3775.59,3433.07 3775.59,590.55 3775.59,117.13 cw(c3658.47,117.13) 3658.46,0 1691.93,0 cw(c1691.93,117.13) 1574.8,117.13 1574.8,196.85 1102.36,196.85 1102.36,117.13 cw(c985.24,117.13) 985.24,0 117.13,0 cw(c117.13,117.13)
3V3 on L3 Signal "L3 3V3" (solid, remove dead copper, pour order 6): 0,117.13 0,3429.13 cw(c118.11,3429.13) 118.11,3547.24 521.65,3547.24 cw(c521.65,3429.13) 639.76,3429.13 639.76,3350.39 3395.67,3356.3 3395.67,3433.07 cw(c3512.6,3433.07) 3512.6,3550 3658.66,3550 cw(c3658.66,3433.07) 3775.59,3433.07 3775.59,590.55 3775.59,117.13 cw(c3658.47,117.13) 3658.46,0 1691.93,0 cw(c1691.93,117.13) 1574.8,117.13 1574.8,196.85 1102.36,196.85 1102.36,117.13 cw(c985.24,117.12) 985.24,0 117.13,0 cw(c117.13,117.13)
3V3_CAM on L3 Signal "NONET_L-01_P-001" (solid, pour order 2): 350,2800 350,2900 1550,2900 1550,2800
3V3_ANT_DEPLOY on L3 Signal "NONET_L-01_P-001" (solid, pour order 5): 350,2900 350,3000 825,3000 825,2900
GND on L1 Top Layer "Top GND" (solid, remove dead copper, pour order 30): 0,117.13 0,3429.13 cw(c118.11,3429.13) 118.11,3547.24 521.65,3547.24 cw(c521.65,3429.14) 639.76,3429.13 639.76,3350.39 3395.67,3356.3 3395.67,3433.07 cw(c3512.6,3433.07) 3512.6,3550 3658.66,3550 cw(c3658.66,3433.07) 3775.59,3433.07 3775.59,590.55 3775.59,117.13 cw(c3658.47,117.13) 3658.46,0 1691.93,0 cw(c1691.93,117.13) 1574.8,117.13 1574.8,196.85 1102.36,196.85 1102.36,117.13 cw(c985.24,117.13) 985.24,0 117.13,0 cw(c117.13,117.13)
5V on L1 Top Layer "5V_L01_P000" (solid, pour order 0): 1721.46,720.47 1762.8,720.47 1771.65,729.33 1771.65,799.21 1794.29,821.85 1794.29,922.24 1780.51,936.02 1723.43,936.02 1713.58,926.18 1713.58,728.35
5V on L4 Signal "L4 5V" (solid, remove dead copper, pour order 8): 0,117.13 0,3429.13 cw(c118.11,3429.13) 118.11,3547.24 521.65,3547.24 cw(c521.65,3429.14) 639.76,3429.13 639.76,3350.39 3395.67,3356.3 3395.67,3433.07 cw(c3512.6,3433.07) 3512.6,3550 3658.66,3550 cw(c3658.66,3433.07) 3775.59,3433.07 3775.59,590.55 3775.59,116.97 cw(c3658.62,116.97) 3658.62,0 1691.93,0 cw(c1691.93,117.13) 1574.8,117.13 1574.8,196.85 1102.36,196.85 1102.36,117.13 cw(c985.24,117.13) 985.24,0 117.13,0 cw(c117.13,117.13)
GND on L5 GND (split plane): 238 vertices, not listed, extent 20.04,20.03 3755.56,3530.16
GND on L2 GND (split plane): 238 vertices, not listed, extent 20.04,20.03 3755.56,3530.16

## Other copper
L6 Bottom Layer:
  region: 3095,5697
  region: 3095,5697
  region: 3095,5697
  region: 3095,5697
  region: 3095,5697
  region: 3095,5697
  region: 3095,5697
  region: 3095,5697
  region: 3095,5697
  region: 3095,5697
  region: 3095,5697
  region: 3095,5697
  region: 3095,5697
  region: 3095,5697
  region: 3095,5697
  region: 3095,5697
  region: 3095,5697
  region: 3095,5697
  region: 3095,5697
  region: 3095,5697
  region: 3095,5697
  region: 3095,5697
  region: 3095,5697
  region: 3095,5697

## Silkscreen, mask and mechanical layers (free items; w line width, h text height)
Top Overlay:
  drawing of 30 lines, arcs and shapes, not listed
  text "H2" at 337.82,3136.05 h60
  text "H1" at 528.76,3136.05 h60
  text "Umbilical" at 3292.56,3003.19 h60
  text "VBAT" at 28.67,2579.85 h30
  text "3V3" at 47.37,2345.6 h30
  text "SWD" at 3589.8,2167.56 h60
  text "CTS-SAT-1 OBC" at 1839.8,1083.9 h50
  text "EPS" at 3570.12,1024.84 h60
  text "5V" at 83.79,1004.06 h30
  text "REV 1.4." at 1841.77,999.25 h50
  text "COMS" at 2251.75,708.88 h60 r90
  text "RBF" at 3602.6,456.93 h60
  text "SWD" at 613,346 h60
  text "BW" at 3315.2,207.91 h60
  text "ANT1" at 2900.37,47.46 h60 r90
  text "ANT2" at 2042.1,43.53 h60 r90
Bottom Overlay:
  lines w10: 122.05,2898.62 561.02,2898.62 561.02,3000.98 122.05,3000.98 122.05,2898.62 ; 124.02,2398.62 562.99,2398.62 562.99,2500.98 124.02,2500.98 124.02,2398.62 ; 125.98,1892.72 564.96,1892.72 564.96,1995.08 125.98,1995.08 125.98,1892.72 ; 130.91,1397.64 569.88,1397.64 569.88,1500 130.91,1500 130.91,1397.64 ; 133.86,900.59 572.83,900.59 572.83,1002.95 133.86,1002.95 133.86,900.59
  text "H1" at 558.83,3126.2 h60
  text "H2" at 135.61,3055.34 h60
  text "GPS" at 988,3026 h60
  text "UART" at 3111.98,3007.11 h60
  text "Camera" at 1753,3002 h60
  text "50" at 102.24,2936.15 h40
  text "49" at 650.46,2935.17 h40
  text "39" at 654.4,2429.26 h40
  text "40" at 107.16,2428.28 h40
  text "30" at 102.24,1929.26 h40
  text "29" at 658.34,1924.34 h40
  text "20" at 111.09,1429.26 h40
  text "19" at 650.46,1428.28 h40
  text "10" at 111.09,933.2 h40
  text "9" at 611.09,928.28 h40
  text "MPI" at 1653,779 h60 r270
  text "Antenna" at 802,655 h60 r270
  text "+" at 288.48,448.84 h30
  text "+" at 495.17,448.84 h30
  text "MPI Power" at 1997.71,379.06 h60 r0.4
  text "SWD" at 791,346 h60
Mechanical 1:
  lines w0: 0,0 1102.36,0 1102.36,196.85 1574.8,196.85 1574.8,0 3775.59,0 3775.59,590.55 3775.59,3550 3395.67,3550 3395.67,3356.3 639.76,3350.39 639.76,3547.24 0,3547.24 0,0
  lines w10: 3775.59,116.97 3775.59,3433.07 ccw(c3658.46,3433.07) 3658.46,3550.2 3512.8,3550.2 ccw(c3512.8,3433.07) 3395.67,3433.07 3395.67,3356.3 cw(c3389.76,3356.3) 3389.76,3350.39 639.76,3350.39 639.76,3429.13 ccw(c522.64,3429.13) 522.64,3546.26 117.13,3546.26 ccw(c117.13,3429.13) 0,3429.13 0,117.13 ccw(c117.13,117.13) 117.13,0 985.24,0 ccw(c985.24,117.13) 1102.36,117.13 1102.36,196.85 1574.8,196.85 1574.8,117.13 ccw(c1691.93,117.13) 1691.93,0 3658.46,0 ccw(c3658.46,117.13) 3775.59,117.13

## Text inside footprints (layer, text, board x,y; h text height)
D1: Top Overlay "K" at 867.78,1579.59 h40
D2: Top Overlay "K" at 874.77,1441.8 h40
D3: Top Overlay "K" at 34.54,2214.47 h40 r270
D4: Top Overlay "K" at 66.83,996.16 h40 r90
D5: Top Overlay "K" at 29.62,2772.54 h40 r270
D6: Top Overlay "K" at 874.77,1313.84 h40
U10: Mechanical 13 "*" at 1060.81,949.71 h50
U15: Mechanical 13 "*" at 955.58,2720.04 h50 r90